# KiCad board Flipper black ki cad.kicad_pcb
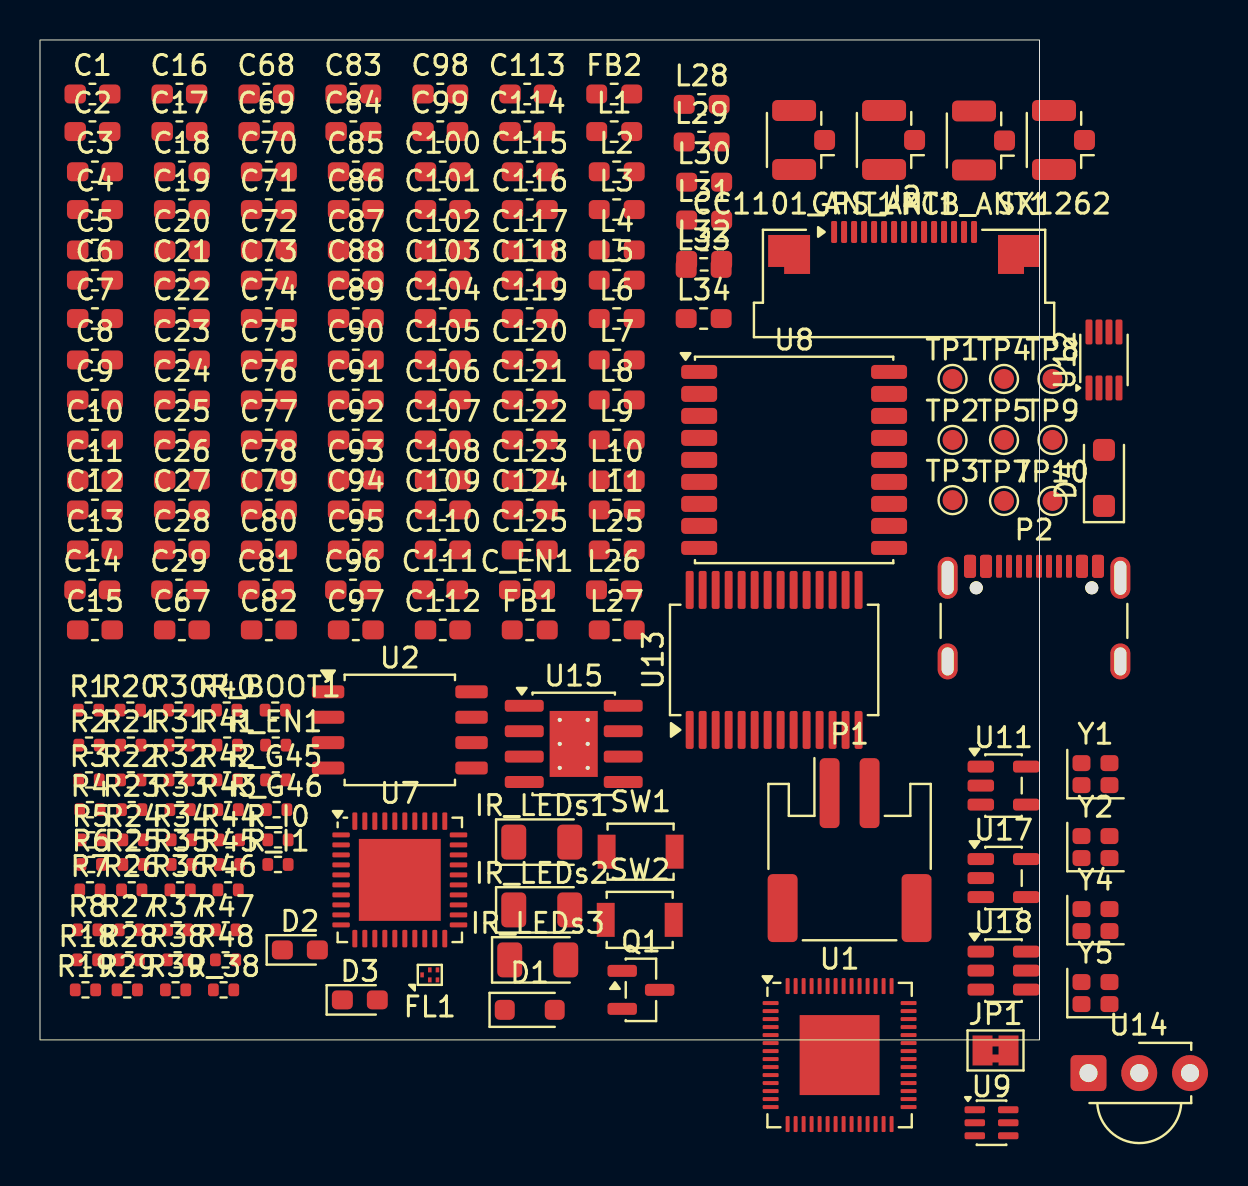
[diagram p0: board, top side]
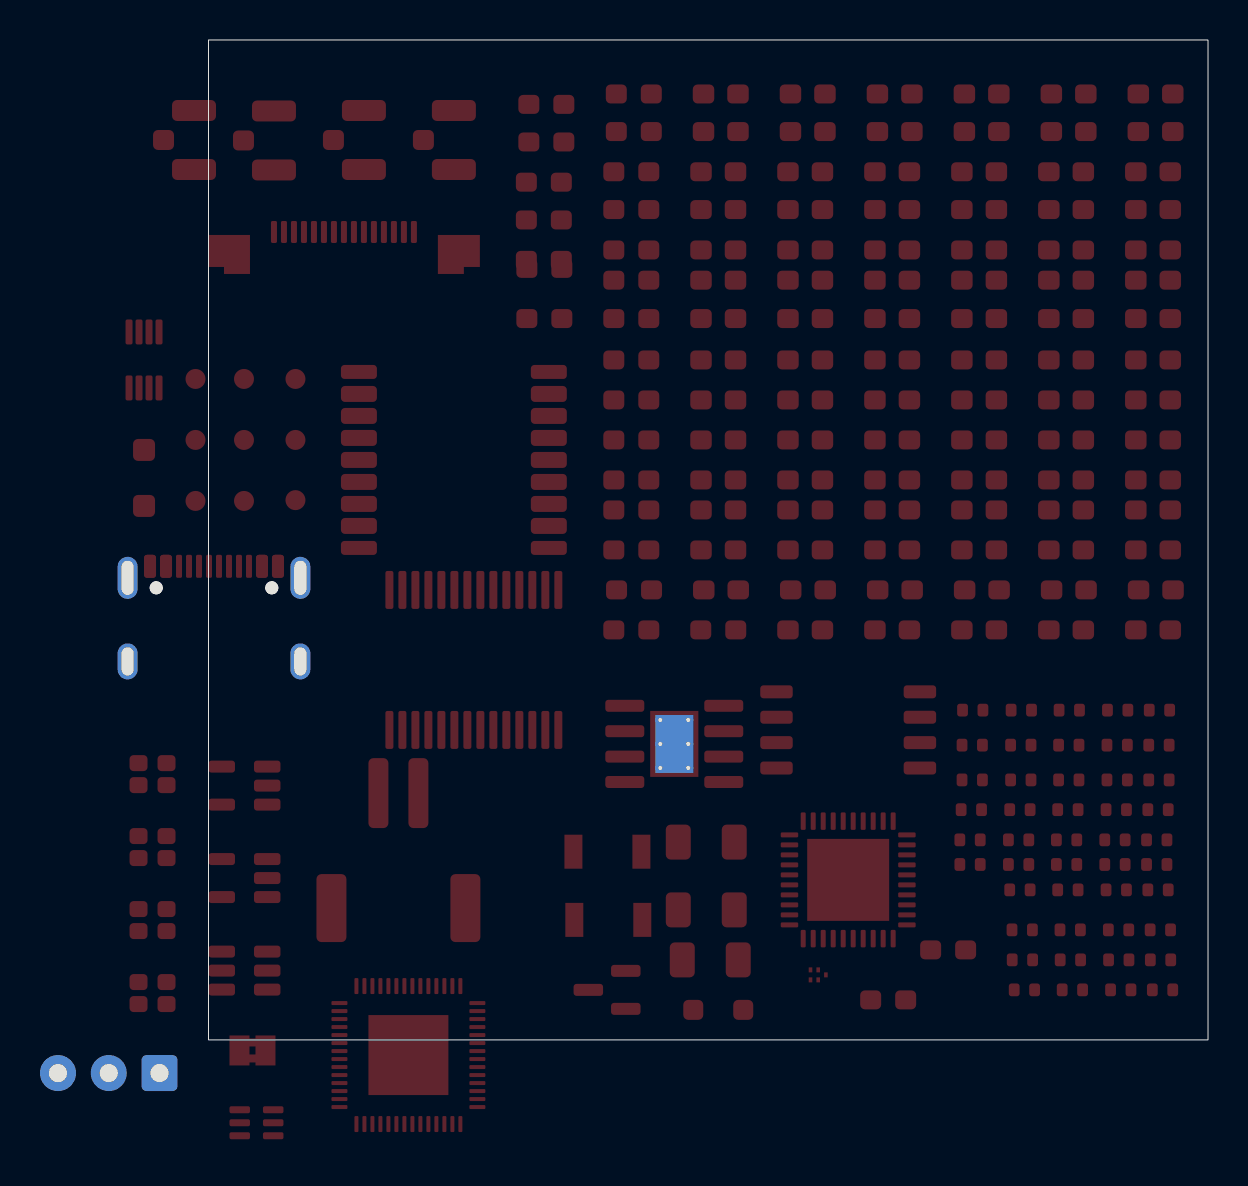
[diagram p1: board, bottom side, seen from below]

Outline 50 x 50 mm; copper layers: Top, In1.Cu, In2.Cu, Bottom. Coordinates in mm from the lower left corner of the outline.
Outline path: rectangle 0,50 50,0
Stack: Top 0.035mm / dielectric 0.2mm FR4 er 4.5 / In1.Cu 0.035mm / dielectric 1.24mm FR4 er 4.5 / In2.Cu 0.035mm / dielectric 0.2mm FR4 er 4.5 / Bottom 0.035mm

## Placement (name value [footprint] x y rotation side)
C1  100nf  [C_0603_1608Metric_Pad1.08x0.95mm_HandSolder]  2.62 47.3 0 top
C2  100nf  [C_0603_1608Metric_Pad1.08x0.95mm_HandSolder]  2.62 45.42 0 top
C3  0.1uf  [C_0603_1608Metric_Pad1.08x0.95mm_HandSolder]  2.75 43.41 0 top
C4  10uf  [C_0603_1608Metric_Pad1.08x0.95mm_HandSolder]  2.75 41.52 0 top
C5  1uf  [C_0603_1608Metric_Pad1.08x0.95mm_HandSolder]  2.75 39.5 0 top
C6  100nf  [C_0603_1608Metric_Pad1.08x0.95mm_HandSolder]  2.75 37.99 0 top
C7  100nf  [C_0603_1608Metric_Pad1.08x0.95mm_HandSolder]  2.75 36.07 0 top
C8  100nf  [C_0603_1608Metric_Pad1.08x0.95mm_HandSolder]  2.75 34 0 top
C9  1uf  [C_0603_1608Metric_Pad1.08x0.95mm_HandSolder]  2.75 32 0 top
C10  18pf  [C_0603_1608Metric_Pad1.08x0.95mm_HandSolder]  2.75 30 0 top
C11  18pf  [C_0603_1608Metric_Pad1.08x0.95mm_HandSolder]  2.75 28 0 top
C12  1.8pF  [C_0603_1608Metric_Pad1.08x0.95mm_HandSolder]  2.75 26.5 0 top
C13  1.2pF  [C_0603_1608Metric_Pad1.08x0.95mm_HandSolder]  2.75 24.5 0 top
C14  1.0pF  [C_0603_1608Metric_Pad1.08x0.95mm_HandSolder]  2.61 22.5 0 top
C15  1.5pf  [C_0603_1608Metric_Pad1.08x0.95mm_HandSolder]  2.75 20.5 0 top
C16  0.1uf  [C_0603_1608Metric_Pad1.08x0.95mm_HandSolder]  6.97 47.3 0 top
C17  100nf  [C_0603_1608Metric_Pad1.08x0.95mm_HandSolder]  6.97 45.42 0 top
C18  100nf  [C_0603_1608Metric_Pad1.08x0.95mm_HandSolder]  7.1 43.41 0 top
C19  18pf  [C_0603_1608Metric_Pad1.08x0.95mm_HandSolder]  7.1 41.52 0 top
C20  18pf  [C_0603_1608Metric_Pad1.08x0.95mm_HandSolder]  7.1 39.5 0 top
C21  18pf  [C_0603_1608Metric_Pad1.08x0.95mm_HandSolder]  7.1 37.99 0 top
C22  18pf  [C_0603_1608Metric_Pad1.08x0.95mm_HandSolder]  7.1 36.07 0 top
C23  18pf  [C_0603_1608Metric_Pad1.08x0.95mm_HandSolder]  7.1 34 0 top
C24  18pf  [C_0603_1608Metric_Pad1.08x0.95mm_HandSolder]  7.1 32 0 top
C25  1.0pF  [C_0603_1608Metric_Pad1.08x0.95mm_HandSolder]  7.1 30 0 top
C26  1.5pf  [C_0603_1608Metric_Pad1.08x0.95mm_HandSolder]  7.1 28 0 top
C27  1.5pF  [C_0603_1608Metric_Pad1.08x0.95mm_HandSolder]  7.1 26.5 0 top
C28  18pf  [C_0603_1608Metric_Pad1.08x0.95mm_HandSolder]  7.1 24.5 0 top
C29  100nf  [C_0603_1608Metric_Pad1.08x0.95mm_HandSolder]  6.96 22.5 0 top
C67  100nf  [C_0603_1608Metric_Pad1.08x0.95mm_HandSolder]  7.1 20.5 0 top
C68  100nf  [C_0603_1608Metric_Pad1.08x0.95mm_HandSolder]  11.32 47.3 0 top
C69  100nf  [C_0603_1608Metric_Pad1.08x0.95mm_HandSolder]  11.32 45.42 0 top
C70  100nf  [C_0603_1608Metric_Pad1.08x0.95mm_HandSolder]  11.45 43.41 0 top
C71  100nf  [C_0603_1608Metric_Pad1.08x0.95mm_HandSolder]  11.45 41.52 0 top
C72  1uf  [C_0603_1608Metric_Pad1.08x0.95mm_HandSolder]  11.45 39.5 0 top
C73  22 pf  [C_0603_1608Metric_Pad1.08x0.95mm_HandSolder]  11.45 37.99 0 top
C74  22pf  [C_0603_1608Metric_Pad1.08x0.95mm_HandSolder]  11.45 36.07 0 top
C75  100nf  [C_0603_1608Metric_Pad1.08x0.95mm_HandSolder]  11.45 34 0 top
C76  220pf  [C_0603_1608Metric_Pad1.08x0.95mm_HandSolder]  11.45 32 0 top
C77  220pf  [C_0603_1608Metric_Pad1.08x0.95mm_HandSolder]  11.45 30 0 top
C78  22pf  [C_0603_1608Metric_Pad1.08x0.95mm_HandSolder]  11.45 28 0 top
C79  220pf  [C_0603_1608Metric_Pad1.08x0.95mm_HandSolder]  11.45 26.5 0 top
C80  22pf  [C_0603_1608Metric_Pad1.08x0.95mm_HandSolder]  11.45 24.5 0 top
C81  220pf  [C_0603_1608Metric_Pad1.08x0.95mm_HandSolder]  11.31 22.5 0 top
C82  1nf  [C_0603_1608Metric_Pad1.08x0.95mm_HandSolder]  11.45 20.5 0 top
C83  100pf  [C_0603_1608Metric_Pad1.08x0.95mm_HandSolder]  15.68 47.3 0 top
C84  100nf  [C_0603_1608Metric_Pad1.08x0.95mm_HandSolder]  15.68 45.42 0 top
C85  1uf  [C_0603_1608Metric_Pad1.08x0.95mm_HandSolder]  15.8 43.41 0 top
C86  100nf  [C_0603_1608Metric_Pad1.08x0.95mm_HandSolder]  15.8 41.52 0 top
C87  100nf  [C_0603_1608Metric_Pad1.08x0.95mm_HandSolder]  15.8 39.5 0 top
C88  100uf  [C_0603_1608Metric_Pad1.08x0.95mm_HandSolder]  15.8 37.99 0 top
C89  47pf  [C_0603_1608Metric_Pad1.08x0.95mm_HandSolder]  15.8 36.07 0 top
C90  10nf  [C_0603_1608Metric_Pad1.08x0.95mm_HandSolder]  15.8 34 0 top
C91  1nf  [C_0603_1608Metric_Pad1.08x0.95mm_HandSolder]  15.8 32 0 top
C92  22pf  [C_0603_1608Metric_Pad1.08x0.95mm_HandSolder]  15.8 30 0 top
C93  10nf  [C_0603_1608Metric_Pad1.08x0.95mm_HandSolder]  15.8 28 0 top
C94  100nf  [C_0603_1608Metric_Pad1.08x0.95mm_HandSolder]  15.8 26.5 0 top
C95  10uf  [C_0603_1608Metric_Pad1.08x0.95mm_HandSolder]  15.8 24.5 0 top
C96  100nf  [C_0603_1608Metric_Pad1.08x0.95mm_HandSolder]  15.66 22.5 0 top
C97  100nf  [C_0603_1608Metric_Pad1.08x0.95mm_HandSolder]  15.8 20.5 0 top
C98  100nf  [C_0603_1608Metric_Pad1.08x0.95mm_HandSolder]  20.03 47.3 0 top
C99  100nf  [C_0603_1608Metric_Pad1.08x0.95mm_HandSolder]  20.03 45.42 0 top
C100  100nf  [C_0603_1608Metric_Pad1.08x0.95mm_HandSolder]  20.15 43.41 0 top
C101  0.1uf  [C_0603_1608Metric_Pad1.08x0.95mm_HandSolder]  20.15 41.52 0 top
C102  10uf  [C_0603_1608Metric_Pad1.08x0.95mm_HandSolder]  20.15 39.5 0 top
C103  10uf  [C_0603_1608Metric_Pad1.08x0.95mm_HandSolder]  20.15 37.99 0 top
C104  10uf  [C_0603_1608Metric_Pad1.08x0.95mm_HandSolder]  20.15 36.07 0 top
C105  100pf  [C_0603_1608Metric_Pad1.08x0.95mm_HandSolder]  20.15 34 0 top
C106  10uf  [C_0603_1608Metric_Pad1.08x0.95mm_HandSolder]  20.15 32 0 top
C107  100nf  [C_0603_1608Metric_Pad1.08x0.95mm_HandSolder]  20.15 30 0 top
C108  1uf  [C_0603_1608Metric_Pad1.08x0.95mm_HandSolder]  20.15 28 0 top
C109  100nf  [C_0603_1608Metric_Pad1.08x0.95mm_HandSolder]  20.15 26.5 0 top
C110  470nf  [C_0603_1608Metric_Pad1.08x0.95mm_HandSolder]  20.15 24.5 0 top
C111  10pf  [C_0603_1608Metric_Pad1.08x0.95mm_HandSolder]  20.01 22.5 0 top
C112  10pf  [C_0603_1608Metric_Pad1.08x0.95mm_HandSolder]  20.15 20.5 0 top
C113  100nf  [C_0603_1608Metric_Pad1.08x0.95mm_HandSolder]  24.38 47.3 0 top
C114  6.8pf  [C_0603_1608Metric_Pad1.08x0.95mm_HandSolder]  24.38 45.42 0 top
C115  8.2pf  [C_0603_1608Metric_Pad1.08x0.95mm_HandSolder]  24.5 43.41 0 top
C116  1nf  [C_0603_1608Metric_Pad1.08x0.95mm_HandSolder]  24.5 41.52 0 top
C117  5.6pf  [C_0603_1608Metric_Pad1.08x0.95mm_HandSolder]  24.5 39.5 0 top
C118  10pf  [C_0603_1608Metric_Pad1.08x0.95mm_HandSolder]  24.5 37.99 0 top
C119  22pf  [C_0603_1608Metric_Pad1.08x0.95mm_HandSolder]  24.5 36.07 0 top
C120  10pf  [C_0603_1608Metric_Pad1.08x0.95mm_HandSolder]  24.5 34 0 top
C121  100nf  [C_0603_1608Metric_Pad1.08x0.95mm_HandSolder]  24.5 32 0 top
C122  1nf  [C_0603_1608Metric_Pad1.08x0.95mm_HandSolder]  24.5 30 0 top
C123  10pf  [C_0603_1608Metric_Pad1.08x0.95mm_HandSolder]  24.5 28 0 top
C124  5.6pf  [C_0603_1608Metric_Pad1.08x0.95mm_HandSolder]  24.5 26.5 0 top
C125  8.2pf  [C_0603_1608Metric_Pad1.08x0.95mm_HandSolder]  24.5 24.5 0 top
C_EN1  1uF  [C_0603_1608Metric_Pad1.08x0.95mm_HandSolder]  24.36 22.5 0 top
CC1101_ANT1  50ohm  [U.FL_Hirose_U.FL-R-SMT-1_Vertical]  37.72 45 180 top
D1  TPESD5V0L2  [D_SOD-323_HandSoldering]  24.5 1.5 0 top
D2  LED  [LED_0603_1608Metric_Pad1.05x0.95mm_HandSolder]  13 4.5 0 top
D3  LED  [LED_0603_1608Metric_Pad1.05x0.95mm_HandSolder]  16 2 0 top
D4  MBR1020VL  [D_SOD-123F]  53.22 28.1 90 top
FB1  BLM21PG221SN1D  [L_0603_1608Metric_Pad1.05x0.95mm_HandSolder]  24.5 20.5 0 top
FB2  BLM21PG221SN1D  [L_0603_1608Metric_Pad1.05x0.95mm_HandSolder]  28.72 47.3 0 top
FL1  SAFFB1G58KA0F0A  [Filter_1109-5_1.1x0.9mm]  19.5 3.25 0 top
GPS_ANT1  50ohm  [U.FL_Hirose_U.FL-R-SMT-1_Vertical]  42.22 45 180 top
IR_LEDs1  940nm  [LED_1206_3216Metric]  25.1 9.89 0 top
IR_LEDs2  940nm  [LED_1206_3216Metric]  25.1 6.5 0 top
IR_LEDs3  940nm  [LED_1206_3216Metric]  24.9 4 0 top
J2  Value: DISP_3.5_WAVESHARE  [Amphenol_F32Q-1A7x1-11015_1x15-1MP_P0.5mm_Horizontal]  43.22 37.5 0 top
JP1  SolderJumper_2_Bridged  [SolderJumper-2_P1.3mm_Bridged2Bar_Pad1.0x1.5mm]  47.8 -0.53 0 top
L1  2nH 500mA  [L_0603_1608Metric_Pad1.05x0.95mm_HandSolder]  28.72 45.42 0 top
L2  24nH  [L_0603_1608Metric_Pad1.05x0.95mm_HandSolder]  28.85 43.41 0 top
L3  2.7nH  [L_0603_1608Metric_Pad1.05x0.95mm_HandSolder]  28.85 41.52 0 top
L4  2.7nH  [L_0603_1608Metric_Pad1.05x0.95mm_HandSolder]  28.85 39.5 0 top
L5  27nH  [L_0603_1608Metric_Pad1.05x0.95mm_HandSolder]  28.85 37.99 0 top
L6  27nH  [L_0603_1608Metric_Pad1.05x0.95mm_HandSolder]  28.85 36.07 0 top
L7  27nH  [L_0603_1608Metric_Pad1.05x0.95mm_HandSolder]  28.85 34 0 top
L8  27nH  [L_0603_1608Metric_Pad1.05x0.95mm_HandSolder]  28.85 32 0 top
L9  47nH  [L_0603_1608Metric_Pad1.05x0.95mm_HandSolder]  28.85 30 0 top
L10  47nH  [L_0603_1608Metric_Pad1.05x0.95mm_HandSolder]  28.85 28 0 top
L11  23nH  [L_0603_1608Metric_Pad1.05x0.95mm_HandSolder]  28.85 26.5 0 top
L25  220nH  [L_0603_1608Metric_Pad1.05x0.95mm_HandSolder]  28.85 24.5 0 top
L26  220nH  [L_0603_1608Metric_Pad1.05x0.95mm_HandSolder]  28.71 22.5 0 top
L27  5.6nH  [L_0603_1608Metric_Pad1.05x0.95mm_HandSolder]  28.85 20.5 0 top
L28  18nH  [L_0603_1608Metric_Pad1.05x0.95mm_HandSolder]  33.1 46.78 0 top
L29  15nH  [L_0603_1608Metric_Pad1.05x0.95mm_HandSolder]  33.1 44.9 0 top
L30  15nH  [L_0603_1608Metric_Pad1.05x0.95mm_HandSolder]  33.22 42.89 0 top
L31  22nH  [L_0603_1608Metric_Pad1.05x0.95mm_HandSolder]  33.22 41 0 top
L32  27nH  [L_0603_1608Metric_Pad1.05x0.95mm_HandSolder]  33.22 38.98 0 top
L33  18nH  [L_0603_1608Metric_Pad1.05x0.95mm_HandSolder]  33.2 38.58 0 top
L34  22nH  [L_0603_1608Metric_Pad1.05x0.95mm_HandSolder]  33.2 36.07 0 top
P1  JST-2pin  [JST_PH_S2B-PH-SM4-TB_1x02-1MP_P2.00mm_Horizontal]  40.5 9.49 0 top
P2  USB_C_Plug_USB2.0  [USB_C_Receptacle_GCT_USB4105-xx-A_16P_TopMnt_Horizontal]  49.72 20 0 top
PCB_ANT1  50ohm  [U.FL_Hirose_U.FL-R-SMT-1_Vertical]  46.72 44.98 180 top
Q1  MMBT2222A  [SOT-23]  30.06 2.5 0 top
R1  0R  [R_0402_1005Metric]  2.43 16.49 0 top
R2  0R  [R_0402_1005Metric]  2.46 14.74 0 top
R3  0R  [R_0402_1005Metric]  2.46 13 0 top
R4  0R  [R_0402_1005Metric]  2.5 11.51 0 top
R5  0R  [R_0402_1005Metric]  2.56 10 0 top
R6  499R  [R_0402_1005Metric]  2.56 8.77 0 top
R7  10K  [R_0402_1005Metric]  2.5 7.5 0 top
R8  10K  [R_0402_1005Metric]  2.38 5.5 0 top
R18  10k  [R_0402_1005Metric]  2.38 4 0 top
R19  10k  [R_0402_1005Metric]  2.28 2.5 0 top
R20  10R  [R_0402_1005Metric]  4.52 16.49 0 top
R21  1k  [R_0402_1005Metric]  4.54 14.74 0 top
R22  10R  [R_0402_1005Metric]  4.54 13 0 top
R23  10k  [R_0402_1005Metric]  4.59 11.51 0 top
R24  10K  [R_0402_1005Metric]  4.66 10 0 top
R25  10R  [R_0402_1005Metric]  4.66 8.77 0 top
R26  10K  [R_0402_1005Metric]  4.59 7.5 0 top
R27  10K  [R_0402_1005Metric]  4.47 5.5 0 top
R28  10k  [R_0402_1005Metric]  4.47 4 0 top
R29  33R  [R_0402_1005Metric]  4.37 2.5 0 top
R30  33R  [R_0402_1005Metric]  6.94 16.49 0 top
R31  100R  [R_0402_1005Metric]  6.97 14.74 0 top
R32  33R  [R_0402_1005Metric]  6.97 13 0 top
R33  1.2K  [R_0402_1005Metric]  7.01 11.51 0 top
R34  10K  [R_0402_1005Metric]  7.07 10 0 top
R35  1K  [R_0402_1005Metric]  7.07 8.77 0 top
R36  1K  [R_0402_1005Metric]  7.01 7.5 0 top
R37  10R  [R_0402_1005Metric]  6.9 5.5 0 top
R38  10R  [R_0402_1005Metric]  6.88 4 0 top
R39  100K  [R_0402_1005Metric]  6.78 2.5 0 top
R40  5.1K  [R_0402_1005Metric]  9.34 16.49 0 top
R41  10R  [R_0402_1005Metric]  9.37 14.74 0 top
R42  10R  [R_0402_1005Metric]  9.37 13 0 top
R43  10R  [R_0402_1005Metric]  9.41 11.51 0 top
R44  10R  [R_0402_1005Metric]  9.47 10 0 top
R45  10k  [R_0402_1005Metric]  9.47 8.77 0 top
R46  10k  [R_0402_1005Metric]  9.41 7.5 0 top
R47  100R  [R_0402_1005Metric]  9.29 5.5 0 top
R48  100R  [R_0402_1005Metric]  9.28 4 0 top
R_38  10k  [R_0402_1005Metric]  9.19 2.5 0 top
R_BOOT1  10k  [R_0402_1005Metric]  11.77 16.49 0 top
R_EN1  10k  [R_0402_1005Metric]  11.79 14.74 0 top
R_G45  10k  [R_0402_1005Metric]  11.79 13 0 top
R_G46  10k  [R_0402_1005Metric]  11.84 11.51 0 top
R_I0  0R  [R_0402_1005Metric]  11.91 10 0 top
R_I1  0R  [R_0402_1005Metric]  11.91 8.77 0 top
SW1  boot  [SW_SPST_B3U-1000P]  30.04 9.41 0 top
SW2  REST  [SW_SPST_B3U-1000P]  30 6 0 top
SX1262  50ohm  [U.FL_Hirose_U.FL-R-SMT-1_Vertical]  50.72 45 180 top
TP1  TP_VDD33  [TestPoint_Pad_D1.0mm]  45.65 33.05 0 top
TP2  TP_BAT  [TestPoint_Pad_D1.0mm]  45.65 30 0 top
TP3  TP_5V  [TestPoint_Pad_D1.0mm]  45.65 26.99 0 top
TP4  TP_GND  [TestPoint_Pad_D1.0mm]  48.22 33.05 0 top
TP5  TP_BOOT  [TestPoint_Pad_D1.0mm]  48.22 30 0 top
TP7  TP_IR_TX  [TestPoint_Pad_D1.0mm]  48.22 26.95 0 top
TP8  TP_UART_TX  [TestPoint_Pad_D1.0mm]  50.65 33.05 0 top
TP9  TP_UART_RX  [TestPoint_Pad_D1.0mm]  50.65 30 0 top
TP10  TP_RESET  [TestPoint_Pad_D1.0mm]  50.65 26.95 0 top
U1  ESP32-S3  [QFN-56-1EP_7x7mm_P0.4mm_EP4x4mm]  40 -0.76 0 top
U2  W25Q128JVS  [SOIC-8_5.3x5.3mm_P1.27mm]  18 15.5 0 top
U7  PN5321A3HN  [HVQFN-40-1EP_6x6mm_P0.5mm_EP4.1x4.1mm]  18 8 0 top
U8  MAX-M8Q  [ublox_MAX]  37.72 29 0 top
U9  MASW-007221  [SOT-363_SC-70-6]  47.6 -4.14 0 top
U11  TLV70018_SOT23-5  [SOT-23-5]  48.2 12.72 0 top
U12  TXB0102DCU  [VSSOP-8_2.3x2mm_P0.5mm]  53.22 34 90 top
U13  MCP23017x-x-SS  [SSOP-28_5.3x10.2mm_P0.65mm]  36.72 19 90 top
U14  TSOP382xx  [Vishay_MINICAST-3Pin]  52.45 -1.66 0 top
U15  TP4056  [SOIC-8-1EP_3.9x4.9mm_P1.27mm_EP2.41x3.3mm_ThermalVias]  26.7 14.8 0 top
U17  AP2112K-3.3  [SOT-23-5]  48.2 8.09 0 top
U18  DW01A  [SOT-23-6]  48.2 3.47 0 top
Y1  40MHz SMD 3225  [Crystal_SMD_2016-4Pin_2.0x1.6mm]  52.8 13.29 0 top
Y2  26 MHz SMD  [Crystal_SMD_2016-4Pin_2.0x1.6mm]  52.8 9.64 0 top
Y4  27.120 MHz  [Crystal_SMD_2016-4Pin_2.0x1.6mm]  52.8 5.99 0 top
Y5  32 MHz SMD  [Crystal_SMD_2016-4Pin_2.0x1.6mm]  52.8 2.34 0 top

## Library data of the parts
C1-C29 C67-C125 C_EN1 = -: Description: Unpolarized capacitor; KiLib_Generator: SMD_2terminal_chip_molded; ki_fp_filters: C_*
CC1101_ANT1 GPS_ANT1 PCB_ANT1 SX1262 = -: Description: Antenna
D1 = -: Description: Bidirectional transient-voltage-suppression diode, filled shape; ki_fp_filters: TO-???* *_Diode_* *SingleDiode* D_*
D2 D3 = -: Description: Light emitting diode; KiLib_Generator: SMD_2terminal_chip_molded; Sim.Pins: 1=K 2=A; ki_fp_filters: LED* LED_SMD:* LED_THT:*
D4 = -: Datasheet: https://www.onsemi.com/pub/Collateral/MBR1020VL-D.PDF; Description: 20V, 1A, 340 mV, Schottky Diode Rectifier, SOD-123F; ki_fp_filters: D*SOD?123F*
FB1 FB2 = -: Description: Ferrite bead; KiLib_Generator: SMD_2terminal_chip_molded; ki_fp_filters: Inductor_* L_* *Ferrite*
FL1 = -: Datasheet: https://www.murata.com/~/media/webrenewal/support/library/catalog/products/filter/rf/p73e.ashx?la=en; Description: Murata 1575.42/1602MHz SAW filter, SMD 1109; ki_fp_filters: Filter*1109*1.1x0.9mm*
IR_LEDs1-IR_LEDs3 = -: Datasheet: http://www.everlight.com/file/ProductFile/IR26-21C-L110-TR8.pdf; Description: 940nm, 20 deg, Infrared LED, 1206; KiLib_Generator: SMD_2terminal_chip_molded; ki_fp_filters: LED*1206*3216Metric*
J2 = -: Description: Generic connector, single row, 01x15, script generated (kicad-library-utils/schlib/autogen/connector/); KiLib_Generator: connector/Amphenol; ki_fp_filters: Connector*:*_1x??_*
JP1 = -: Description: Solder Jumper, 2-pole, closed/bridged; ki_fp_filters: SolderJumper*Bridged*
L1-L11 L25-L34 = -: Description: Inductor; KiLib_Generator: SMD_2terminal_chip_molded; ki_fp_filters: Choke_* *Coil* Inductor_* L_*
P1 = -: KiLib_Generator: connector/SMD_single_row_plus_mounting_pad; MANUFACTURER: JST
P2 = -: Datasheet: https://www.usb.org/sites/default/files/documents/usb_type-c.zip; Description: USB 2.0-only Type-C Plug connector; ki_fp_filters: USB*C*Plug*
Q1 = -: Datasheet: https://assets.nexperia.com/documents/data-sheet/MMBT2222A.pdf; Description: 600mA Ic, 40V Vce, NPN Transistor, SOT-23; KiLib_Generator: package/gullwing; Sim.Device: NPN; Sim.Pins: 1=B 2=E 3=C; ki_fp_filters: SOT?23*
R1-R6 = -: Description: Resistor, US symbol; KiLib_Generator: SMD_2terminal_chip_molded; ki_fp_filters: R_*
R7 R8 R18-R48 R_38 R_BOOT1 R_EN1 R_G45 R_G46 R_I0 R_I1 = -: Description: Resistor; KiLib_Generator: SMD_2terminal_chip_molded; ki_fp_filters: R_*
SW1 SW2 = -: Description: Push button switch, generic, two pins
TP1-TP5 TP7-TP10 = -: Description: test point; ki_fp_filters: Pin* Test*
U1 = -: Datasheet: https://www.espressif.com/sites/default/files/documentation/esp32-s3_datasheet_en.pdf; Description: Microcontroller, Wi-Fi 802.11b/g/n, Bluetooth, 32bit; KiLib_Generator: package/no_lead; ki_fp_filters: QFN*1EP*7x7mm*P0.4mm*
U2 = -: Datasheet: https://www.winbond.com/resource-files/w25q128jv_dtr%20revc%2003272018%20plus.pdf; Description: 128Mbit / 16MiB Serial Flash Memory, Standard/Dual/Quad SPI, 2.7-3.6V, SOIC-8; KiLib_Generator: package/gullwing; ki_fp_filters: *SOIC*5.3x5.3mm*P1.27mm*
U7 = -: Datasheet: https://www.nxp.com/docs/en/nxp/data-sheets/PN532_C1.pdf; Description: Near Field Communication (NFC) controller, QFN-40; KiLib_Generator: package/no_lead; ki_fp_filters: HVQFN*1EP*6x6mm*P0.5mm*
U8 = -: Datasheet: https://www.u-blox.com/sites/default/files/MAX-M8-FW3_DataSheet_%28UBX-15031506%29.pdf; Description: GNSS Module MAX M8, VCC 2.7V to 3.6V; ki_fp_filters: ublox*MAX*
U9 = -: Datasheet: http://cdn.macom.com/datasheets/masw-007221.pdf; Description: Macom GaAs RF SPDT switch, DC-3GHz, 0.56/12dB loss/isolation, SOT-363; KiLib_Generator: package/gullwing; ki_fp_filters: SOT*363*
U11 = -: Datasheet: http://www.ti.com/lit/ds/symlink/tlv700.pdf; Description: 200mA Low Dropout Voltage Regulator, Fixed Output 1.8V, SOT-23-5; KiLib_Generator: package/gullwing; ki_fp_filters: SOT?23*
U12 = -: Datasheet: http://www.ti.com/lit/ds/symlink/txb0102.pdf; Description: 2-Bit Bidirectional Voltage-Level Translator With Auto Direction Sensing and ±15-kV ESD Protection, VSSOP-8; KiLib_Generator: package/gullwing; ki_fp_filters: VSSOP*2.3x2mm*P0.5mm*
U13 = -: Datasheet: https://ww1.microchip.com/downloads/aemDocuments/documents/APID/ProductDocuments/DataSheets/MCP23017-Data-Sheet-DS20001952.pdf; Description: 16-bit I/O expander, I2C, interrupts, w pull-ups, SSOP-28; KiLib_Generator: package/gullwing; ki_fp_filters: SSOP*5.3x10.2mm*P0.65mm*
U14 = -: Datasheet: http://www.vishay.com/docs/82491/tsop382.pdf; Description: Photo Modules for PCM Remote Control Systems; ki_fp_filters: Vishay*MINICAST*
U15 = -: Datasheet: https://www.lcsc.com/datasheet/lcsc_datasheet_2410121619_TOPPOWER-Nanjing-Extension-Microelectronics-TP4056-42-ESOP8_C16581.pdf; Description: 1A Standalone Linear Li-ion/LiPo single-cell battery charger, 4.2V ±1% charge voltage, VCC = 4.0..8.0V, SOIC-8 (SOP-8); KiLib_Generator: package/gullwing; ki_fp_filters: *SO*3.9x4.*P1.27mm*EP2.4*x3.3*mm*
U17 = -: Datasheet: https://www.diodes.com/assets/Datasheets/AP2112.pdf; Description: 600mA low dropout linear regulator, with enable pin, 3.8V-6V input voltage range, 3.3V fixed positive output, SOT-23-5; KiLib_Generator: package/gullwing; ki_fp_filters: SOT?23?5*
U18 = -: Datasheet: https://hmsemi.com/downfile/DW01A.PDF; Description: Overcharge, overcurrent and overdischarge protection IC for single cell lithium-ion/polymer battery; KiLib_Generator: package/gullwing; ki_fp_filters: SOT?23*
Y1 Y2 = -: Description: Four pin crystal, GND on pins 2 and 4; KiLib_Generator: crystal_resonator_oscillator; ki_fp_filters: Crystal*
Y4 Y5 = -: Description: Two pin crystal; KiLib_Generator: crystal_resonator_oscillator; ki_fp_filters: Crystal*

## Footprints (pads in the part's own frame, mm; a bottom-side part is the same pattern mirrored in y, then rotated)
Amphenol_F32Q-1A7x1-11015_1x15-1MP_P0.5mm_Horizontal
  rrect 0.3x1.1 smd: 1(-3.5,2.9) 2(-3,2.9) 3(-2.5,2.9) 4(-2,2.9) 5(-1.5,2.9) 6(-1,2.9) 7(-0.5,2.9) 8(0,2.9) 9(0.5,2.9) 10(1,2.9) 11(1.5,2.9) 12(2,2.9) 13(2.5,2.9) 14(3,2.9) 15(3.5,2.9)
  custom 2.1x1.95 smd: MP(-5.75,1.775) MP(5.75,1.775)
C_0603_1608Metric_Pad1.08x0.95mm_HandSolder
  rrect 1.075x0.95 smd: 1(-0.863,0) 2(0.863,0)
Crystal_SMD_2016-4Pin_2.0x1.6mm
  rrect 0.9x0.8 smd: 1(-0.7,-0.55) 2(0.7,-0.55) 3(0.7,0.55) 4(-0.7,0.55)
D_SOD-123F
  rrect 1.1x1.1 smd: 1(-1.4,0) 2(1.4,0)
D_SOD-323_HandSoldering
  rrect 1x1 smd: 1(-1.25,0) 2(1.25,0)
Filter_1109-5_1.1x0.9mm
  rect 0.18x0.25 smd: 1(-0.385,0) 2(0,-0.25) 3(0.385,-0.25) 4(0.385,0.25) 5(0,0.25)
HVQFN-40-1EP_6x6mm_P0.5mm_EP4.1x4.1mm
  rrect 1.1x1.1 smd: (-1.37,1.37) (-1.37,0) (-1.37,-1.37) (0,1.37) (0,0) (0,-1.37) (1.37,1.37) (1.37,0) (1.37,-1.37)
  rrect 0.875x0.25 smd: 1(-2.938,2.25) 2(-2.938,1.75) 3(-2.938,1.25) 4(-2.938,0.75) 5(-2.938,0.25) 6(-2.938,-0.25) 7(-2.938,-0.75) 8(-2.938,-1.25) 9(-2.938,-1.75) 10(-2.938,-2.25) 21(2.938,-2.25) 22(2.938,-1.75) 23(2.938,-1.25) 24(2.938,-0.75) 25(2.938,-0.25) 26(2.938,0.25) 27(2.938,0.75) 28(2.938,1.25) 29(2.938,1.75) 30(2.938,2.25)
  rrect 0.25x0.875 smd: 11(-2.25,-2.938) 12(-1.75,-2.938) 13(-1.25,-2.938) 14(-0.75,-2.938) 15(-0.25,-2.938) 16(0.25,-2.938) 17(0.75,-2.938) 18(1.25,-2.938) 19(1.75,-2.938) 20(2.25,-2.938) 31(2.25,2.938) 32(1.75,2.938) 33(1.25,2.938) 34(0.75,2.938) 35(0.25,2.938) 36(-0.25,2.938) 37(-0.75,2.938) 38(-1.25,2.938) 39(-1.75,2.938) 40(-2.25,2.938)
  rect 4.1x4.1 smd: 41(0,0)
JST_PH_S2B-PH-SM4-TB_1x02-1MP_P2.00mm_Horizontal
  rrect 1x3.5 smd: 1(-1,2.85) 2(1,2.85)
  rrect 1.5x3.4 smd: MP(-3.35,-2.9) MP(3.35,-2.9)
L_0603_1608Metric_Pad1.05x0.95mm_HandSolder
  rrect 1.05x0.95 smd: 1(-0.875,0) 2(0.875,0)
LED_0603_1608Metric_Pad1.05x0.95mm_HandSolder
  rrect 1.05x0.95 smd: 1(-0.875,0) 2(0.875,0)
LED_1206_3216Metric
  rrect 1.25x1.75 smd: 1(-1.4,0) 2(1.4,0)
QFN-56-1EP_7x7mm_P0.4mm_EP4x4mm
  rrect 1.07x1.07 smd: (-1.33,1.33) (-1.33,0) (-1.33,-1.33) (0,1.33) (0,0) (0,-1.33) (1.33,1.33) (1.33,0) (1.33,-1.33)
  rrect 0.8x0.2 smd: 1(-3.45,2.6) 2(-3.45,2.2) 3(-3.45,1.8) 4(-3.45,1.4) 5(-3.45,1) 6(-3.45,0.6) 7(-3.45,0.2) 8(-3.45,-0.2) 9(-3.45,-0.6) 10(-3.45,-1) 11(-3.45,-1.4) 12(-3.45,-1.8) 13(-3.45,-2.2) 14(-3.45,-2.6) 29(3.45,-2.6) 30(3.45,-2.2) 31(3.45,-1.8) 32(3.45,-1.4) 33(3.45,-1) 34(3.45,-0.6) 35(3.45,-0.2) 36(3.45,0.2) 37(3.45,0.6) 38(3.45,1) 39(3.45,1.4) 40(3.45,1.8) 41(3.45,2.2) 42(3.45,2.6)
  rrect 0.2x0.8 smd: 15(-2.6,-3.45) 16(-2.2,-3.45) 17(-1.8,-3.45) 18(-1.4,-3.45) 19(-1,-3.45) 20(-0.6,-3.45) 21(-0.2,-3.45) 22(0.2,-3.45) 23(0.6,-3.45) 24(1,-3.45) 25(1.4,-3.45) 26(1.8,-3.45) 27(2.2,-3.45) 28(2.6,-3.45) 43(2.6,3.45) 44(2.2,3.45) 45(1.8,3.45) 46(1.4,3.45) 47(1,3.45) 48(0.6,3.45) 49(0.2,3.45) 50(-0.2,3.45) 51(-0.6,3.45) 52(-1,3.45) 53(-1.4,3.45) 54(-1.8,3.45) 55(-2.2,3.45) 56(-2.6,3.45)
  rect 4x4 smd: 57(0,0)
R_0402_1005Metric
  rrect 0.54x0.64 smd: 1(-0.51,0) 2(0.51,0)
SOIC-8-1EP_3.9x4.9mm_P1.27mm_EP2.41x3.3mm_ThermalVias
  rrect 1.01x1.38 smd: (-0.6,0.825) (-0.6,-0.825) (0.6,0.825) (0.6,-0.825)
  rrect 1.95x0.6 smd: 1(-2.475,1.905) 2(-2.475,0.635) 3(-2.475,-0.635) 4(-2.475,-1.905) 5(2.475,-1.905) 6(2.475,-0.635) 7(2.475,0.635) 8(2.475,1.905)
  round 0.5 hole 0.2: 9(-0.7,1.2) 9(-0.7,0) 9(-0.7,-1.2) 9(0.7,1.2) 9(0.7,0) 9(0.7,-1.2)
  rect 1.9x2.9 smd far side: 9(0,0)
  rect 2.41x3.3 smd: 9(0,0)
SOIC-8_5.3x5.3mm_P1.27mm
  rrect 1.625x0.65 smd: 1(-3.587,1.905) 2(-3.587,0.635) 3(-3.587,-0.635) 4(-3.587,-1.905) 5(3.587,-1.905) 6(3.587,-0.635) 7(3.587,0.635) 8(3.587,1.905)
SolderJumper-2_P1.3mm_Bridged2Bar_Pad1.0x1.5mm
  rect 1x1.5 smd: 1(-0.65,0) 2(0.65,0)
SOT-23
  rrect 1.475x0.6 smd: 1(-0.938,0.95) 2(-0.938,-0.95) 3(0.938,0)
SOT-23-5
  rrect 1.325x0.6 smd: 1(-1.137,0.95) 2(-1.137,0) 3(-1.137,-0.95) 4(1.137,-0.95) 5(1.137,0.95)
SOT-23-6
  rrect 1.325x0.6 smd: 1(-1.137,0.95) 2(-1.137,0) 3(-1.137,-0.95) 4(1.137,-0.95) 5(1.137,0) 6(1.137,0.95)
SOT-363_SC-70-6
  rrect 1.025x0.35 smd: 1(-0.838,0.65) 2(-0.838,0) 3(-0.838,-0.65) 4(0.838,-0.65) 5(0.838,0) 6(0.838,0.65)
SSOP-28_5.3x10.2mm_P0.65mm
  rrect 1.9x0.4 smd: 1(-3.5,4.225) 2(-3.5,3.575) 3(-3.5,2.925) 4(-3.5,2.275) 5(-3.5,1.625) 6(-3.5,0.975) 7(-3.5,0.325) 8(-3.5,-0.325) 9(-3.5,-0.975) 10(-3.5,-1.625) 11(-3.5,-2.275) 12(-3.5,-2.925) 13(-3.5,-3.575) 14(-3.5,-4.225) 15(3.5,-4.225) 16(3.5,-3.575) 17(3.5,-2.925) 18(3.5,-2.275) 19(3.5,-1.625) 20(3.5,-0.975) 21(3.5,-0.325) 22(3.5,0.325) 23(3.5,0.975) 24(3.5,1.625) 25(3.5,2.275) 26(3.5,2.925) 27(3.5,3.575) 28(3.5,4.225)
SW_SPST_B3U-1000P
  rect 0.9x1.7 smd: 1(-1.7,0) 2(1.7,0)
TestPoint_Pad_D1.0mm
  round 1 smd: 1(0,0)
U.FL_Hirose_U.FL-R-SMT-1_Vertical
  rrect 1.05x1 smd: 1(-1.525,0)
  rrect 2.2x1.05 smd: 2(0,1.475) 2(0,-1.475)
ublox_MAX
  rrect 1.8x0.7 smd: 1(-4.75,4.4) 9(-4.75,-4.4) 10(4.75,-4.4) 18(4.75,4.4)
  rrect 1.8x0.8 smd: 2(-4.75,3.3) 3(-4.75,2.2) 4(-4.75,1.1) 5(-4.75,0) 6(-4.75,-1.1) 7(-4.75,-2.2) 8(-4.75,-3.3) 11(4.75,-3.3) 12(4.75,-2.2) 13(4.75,-1.1) 14(4.75,0) 15(4.75,1.1) 16(4.75,2.2) 17(4.75,3.3)
USB_C_Receptacle_GCT_USB4105-xx-A_16P_TopMnt_Horizontal
  round 0.65 hole 0.65 unplated: (-2.89,2.605) (2.89,2.605)
  rrect 0.6x1.15 smd: A1(-3.2,3.68) A4(-2.4,3.68) A9(2.4,3.68) A12(3.2,3.68) B1(3.2,3.68) B4(2.4,3.68) B9(-2.4,3.68) B12(-3.2,3.68)
  rrect 0.3x1.15 smd: A5(-1.25,3.68) A6(-0.25,3.68) A7(0.25,3.68) A8(1.25,3.68) B5(1.75,3.68) B6(0.75,3.68) B7(-0.75,3.68) B8(-1.75,3.68)
  oval 1x2.1 hole 0.6x1.7: SH(-4.32,3.105) SH(4.32,3.105)
  oval 1x1.8 hole 0.6x1.4: SH(-4.32,-1.075) SH(4.32,-1.075)
Vishay_MINICAST-3Pin
  rrect 1.8x1.8 hole 0.9: 1(0,0)
  round 1.8 hole 0.9: 2(2.54,0) 3(5.08,0)
VSSOP-8_2.3x2mm_P0.5mm
  rrect 1.25x0.35 smd: 1(-1.4,0.75) 2(-1.4,0.25) 3(-1.4,-0.25) 4(-1.4,-0.75) 5(1.4,-0.75) 6(1.4,-0.25) 7(1.4,0.25) 8(1.4,0.75)

## Nets
+1V8: C84.1 C85.1 C86.1 C96.1 C97.1 C98.1 C100.1 R23.1 U8.7 U8.8 U8.14 U11.5 U12.3
+5V: C104.1 D2.1 D3.1 D4.1 D4.2 P2.A4 P2.A9 P2.B4 P2.B9 R34.1 R39.1 TP3.1 U15.4 U15.8 U17.1 U18.2
GND: C1.2 C2.2 C3.2 C4.2 C5.2 C6.2 C7.2 C8.2 C9.2 C10.2 C11.2 C12.2 C13.2 C14.2 C15.2 C16.2 C17.2 C18.2 C19.1 C20.1 C23.1 C24.2 C25.2 C28.1 C29.2 C67.1 C68.1 C69.1 C70.1 C71.1 C72.2 C73.1 C74.1 C75.1 C76.2 C77.1 C79.1 C81.2 C82.2 C84.2 C85.2 C86.2 C87.2 C88.2 C90.1 C93.2 C94.2 C95.2 C96.2 C97.2 C98.2 C99.2 C100.2 C101.2 C102.2 C103.2 C104.2 C106.2 C107.2 C108.2 C109.2 C110.2 C111.2 C112.2 C114.2 C115.2 C116.2 C118.2 C120.1 C121.1 C122.2 C124.1 C125.1 C_EN1.2 D1.2 FB2.2 FL1.2 FL1.4 FL1.5 J2.3 P1.2 P2.A1 P2.A12 P2.B1 P2.B12 Q1.2 R7.1 R24.2 R33.1 R40.2 R_G45.2 R_G46.2 R_I1.1 SW1.1 SW2.1 TP4.1 U1.57 U2.4 U7.1 U7.3 U7.7 U7.11 U7.18 U7.41 U8.1 U8.10 U8.12 U9.2 U11.2 U12.2 U13.10 U13.15 U13.16 U13.17 U14.2 U15.3 U15.9 U17.2 U18.6 Y1.2 Y2.2
VDD33: C1.1 C2.1 C4.1 C5.1 C6.1 C7.1 C8.1 C9.1 C16.1 C17.1 C28.2 C29.1 C68.2 C71.2 C72.1 C87.1 C90.2 C93.1 C94.1 C95.1 C99.1 C102.1 C103.1 C106.1 C107.1 C108.1 C109.1 J2.1 J2.2 L1.1 R8.2 R18.1 R19.2 R25.2 R26.1 R27.1 R28.1 R29.2 R30.2 R32.2 R37.2 R38.2 R41.2 R42.2 R43.2 R44.2 R45.1 R46.2 R47.1 R_38.1 R_BOOT1.1 R_EN1.1 R_I0.1 TP1.1 U1.20 U1.29 U1.46 U1.55 U1.56 U2.8 U7.23 U7.40 U9.6 U11.1 U12.7 U13.9 U14.3 U17.5
12C_SDA: J2.12 U13.13
BOOT_BTN: R_BOOT1.2 SW1.2 TP5.1 U1.5
BTN_DOWN: U1.21
BTN_LEFT: U1.47
BTN_OK: U1.6
BTN_POWER: U1.28
BTN_RIGHT: U1.48
BTN_UP: U1.7
CC1101_GDO0: U1.10
CC1101_GDO2: U1.9
CS_CC1101: U1.13
CS_PN532: U1.41 U7.27
CS_SX1262: U1.38
DISP_BL: J2.11 U13.24
DISP_CS: J2.8 U13.21
DISP_DC: J2.9 U13.22
DISP_MISO: J2.4 U1.32
DISP_MOSI: J2.5 R3.2
DISP_RST: J2.10 U13.23
DISP_SCK: J2.6 U13.25
DISP_SD_CS: J2.7 U13.26
EN_BTN: C_EN1.1 R_EN1.2 SW2.2 TP10.1 U1.4
FLASH_CLK: U1.17 U2.6
FLASH_CS: U1.15 U2.1
FLASH_IO0: U1.16 U2.5
FLASH_IO1: U1.18 U2.2
FLASH_IO2: U1.19 U2.3
FLASH_IO3: U1.14 U2.7
GPIO45_STRAP: R_G45.1 U1.51
GPIO46_STRAP: R_G46.1 U1.52
GPS_EXTINT: U1.42 U8.5
GPS_RESET: R23.2 U1.8 U8.9
GPS_RX_1V8: U8.3 U12.4
GPS_RXD: TP9.1 U1.50 U12.8
GPS_SAFEBOOT: R27.2 U1.43 U8.18
GPS_SCL: U1.12 U8.17
GPS_SDA: U1.11 U8.16
GPS_TIMEPULSE: U1.27 U8.4
GPS_TX_1V8: U8.2 U12.5
GPS_TXD: R6.2 U12.1
I2C_SCL: J2.13 U1.36 U13.12
I2C_SDA: U1.37
IR_RX: R5.2 U14.1
IR_TX: R4.2 R31.1 TP7.1
PN532_IRQ: U1.40 U7.25
PN532_RESET: R_38.2 U1.39 U7.38
SD_CD: R8.1 U13.2
SD_CS: U13.1
SPI_MISO: U1.24 U7.29
SPI_MOSI: U1.22 U7.28
SPI_SCK: U1.23 U7.30
SX1262_BUSY: R1.2
SX1262_DIO1: U1.44
SX1262_DIO2: R2.2 R48.1
SX1262_RESET: R46.1 U1.45
TOUCH_IRQ: J2.14 U13.27
TOUCH_RST: J2.15 U13.28
TP_BAT: C101.1 P1.1 TP2.1 U15.5 U18.5
TP_UART_TX: R6.1 TP8.1 U1.49
USB_DN: U1.25
USB_DP: U1.26
Net-(AE1-Pad1): C78.2 C79.2
Net-(AE1-Pad2): C80.2 C81.1
Net-(C3-Pad1): C3.1 L1.2 U1.2 U1.3
Net-(C13-Pad1): C13.1 C14.1 L3.2 L4.1
Net-(C21-Pad1): C21.1 C23.2 L5.2 L6.1
Net-(C21-Pad2): C21.2 C22.1 L7.2 L8.2
Net-(C22-Pad2): C22.2 L6.2 L9.1
Net-(C24-Pad1): C24.1 L8.1
Net-(C25-Pad1): C25.1 L9.2 L10.1
Net-(C26-Pad1): C26.1 C27.1 L10.2
Net-(C27-Pad2): C27.2 L11.1
Net-(C76-Pad1): C76.1 C78.1 L25.2
Net-(C77-Pad2): C77.2 C80.1 L26.2 R21.2
Net-(C83-Pad2): C83.2 R21.1
Net-(C91-Pad2): C91.2 FB1.2
Net-(C105-Pad1): C105.1 L27.2
Net-(C113-Pad1): C113.1 C114.1 L29.1 L30.2 L31.1
Net-(C113-Pad2): C113.2 C115.1 C117.1 L31.2
Net-(C117-Pad2): C117.2 L32.1
Net-(C123-Pad2): C123.2 C124.2 L34.1
Net-(CC1101_ANT1-A): C26.2 CC1101_ANT1.1 L11.2
Net-(D1-A1): C15.1 D1.1 L4.2 PCB_ANT1.1
Net-(D2-A): D2.2 R35.1
Net-(D3-A): D3.2 R36.1
Net-(FB1-Pad1): FB1.1 R25.1
Net-(FL1-IN): FL1.1
Net-(FL1-OUT): C92.2 FL1.3
Net-(GPS_ANT1-A): GPS_ANT1.1 L27.1
Net-(IR_LEDs1-A): IR_LEDs1.2 R30.1
Net-(IR_LEDs1-K): IR_LEDs1.1 IR_LEDs2.1 IR_LEDs3.1 Q1.3
Net-(IR_LEDs2-A): IR_LEDs2.2 R29.1
Net-(IR_LEDs3-A): IR_LEDs3.2 R32.1
Net-(JP1-A): JP1.1 U8.13
Net-(JP1-B): JP1.2 R24.1 U9.4
Net-(L25-Pad1): L25.1 R20.2
Net-(L26-Pad1): L26.1 R22.2
Net-(P2-CC): P2.A5 P2.B5 R40.1
Net-(P2-D+): P2.A6
Net-(P2-D-): P2.A7
Net-(P2-SHIELD): FB2.1 P2.SH
Net-(Q1-B): Q1.1 R31.2
Net-(R37-Pad1): R37.1
Net-(R38-Pad1): R38.1
Net-(R41-Pad1): R41.1
Net-(R42-Pad1): R42.1
Net-(R43-Pad1): R43.1
Net-(R44-Pad1): R44.1
Net-(SX1262-A): C125.2 L34.2 SX1262.1
Net-(U1-LNA_IN): C12.1 L3.1 U1.1
Net-(U1-SPICLK): R3.1 U1.33
Net-(U1-SPID): R2.1 U1.35
Net-(U1-SPIHD): R5.1 U1.30
Net-(U1-SPIQ): R1.1 U1.34
Net-(U1-SPIWP): R4.1 U1.31
Net-(U1-XTAL_N): C11.1 U1.53 Y1.3
Net-(U1-XTAL_P): L2.2 U1.54
Net-(U3-DCOUPL): C18.1
Net-(U3-RBIAS): R7.2
Net-(U3-RF_N): L7.1
Net-(U3-RF_P): L5.1
Net-(U3-XOSC_Q1): C19.2 Y2.1
Net-(U3-XOSC_Q2): C20.2 Y2.3
Net-(U7-AVDD): C70.2 U7.8
Net-(U7-DVDD): C67.2 U7.39
Net-(U7-I0): R_I0.2 U7.16
Net-(U7-I1): R_I1.2 U7.17
Net-(U7-OSCIN): C73.2 U7.14 Y4.2
Net-(U7-OSCOUT): C74.2 U7.15 Y4.1
Net-(U7-P32_INT0): R18.2 U7.32
Net-(U7-RX): C83.1 U7.10
Net-(U7-SIC_CLK/P34): R19.1 U7.34
Net-(U7-SVDD): C75.2 U7.37
Net-(U7-TVDD): C69.2 U7.5
Net-(U7-TX1): R20.1 U7.4
Net-(U7-TX2): R22.1 U7.6
Net-(U7-VMID): C82.1 U7.9
Net-(U8-RF_IN): C89.1 U8.11
Net-(U8-V_BCKP): C88.1 U8.6
Net-(U9-RF1): C91.1 U9.1
Net-(U9-RF2): C92.1 U9.3
Net-(U9-RFC): C89.2 U9.5
Net-(U10-AI): C105.2
Net-(U11-EN): R26.2 U11.3
Net-(U12-OE): R28.2 U12.6
Net-(U13-~{RESET}): R45.2 U13.18
Net-(U15-PROG): R33.2 U15.2
Net-(U15-TEMP): R34.2 U15.1
Net-(U15-~{CHRG}): R35.2 U15.7
Net-(U15-~{STDBY}): R36.2 U15.6
Net-(U17-EN): R39.2 U17.3
Net-(U18-OC): U18.3
Net-(U18-OD): U18.1
Net-(U19-DCC_SW): L28.1
Net-(U19-RFI_N): C119.1 L33.2
Net-(U19-RFI_P): C121.2 L33.1
Net-(U19-RFO): L30.1
Net-(U19-VR_PA): C111.1 C112.1 L29.2
Net-(U19-VREG): C110.1 L28.2
Net-(U19-XTA): Y5.2
Net-(U19-XTB): Y5.1
Net-(U20-CTRL): C122.1 R48.2
Net-(U20-RF1): C118.1 L32.2
Net-(U20-RF2): C119.2 C120.2
Net-(U20-RFC): C123.1
Net-(U20-~{CTRL/}VDD): C116.1 R47.2
Net-(Y1-XIN): C10.1 L2.1 Y1.1

Pads without a net: CC1101_ANT1 2; GPS_ANT1 2; J2 MP; P1 MP; P2 A8 B6 B7 B8; PCB_ANT1 2; SX1262 2; U7 2 12 13 19 20 21 22 24 26 31 33 35 36; U8 15; U11 4; U13 3 4 5 6 7 8 11 14 19 20; U17 4; U18 4; Y1 4; Y2 4; Y4 3 4; Y5 3 4
